# Altium PCB balenaFin_v1_x_x.PcbDoc (part 4 of 7) (continued)
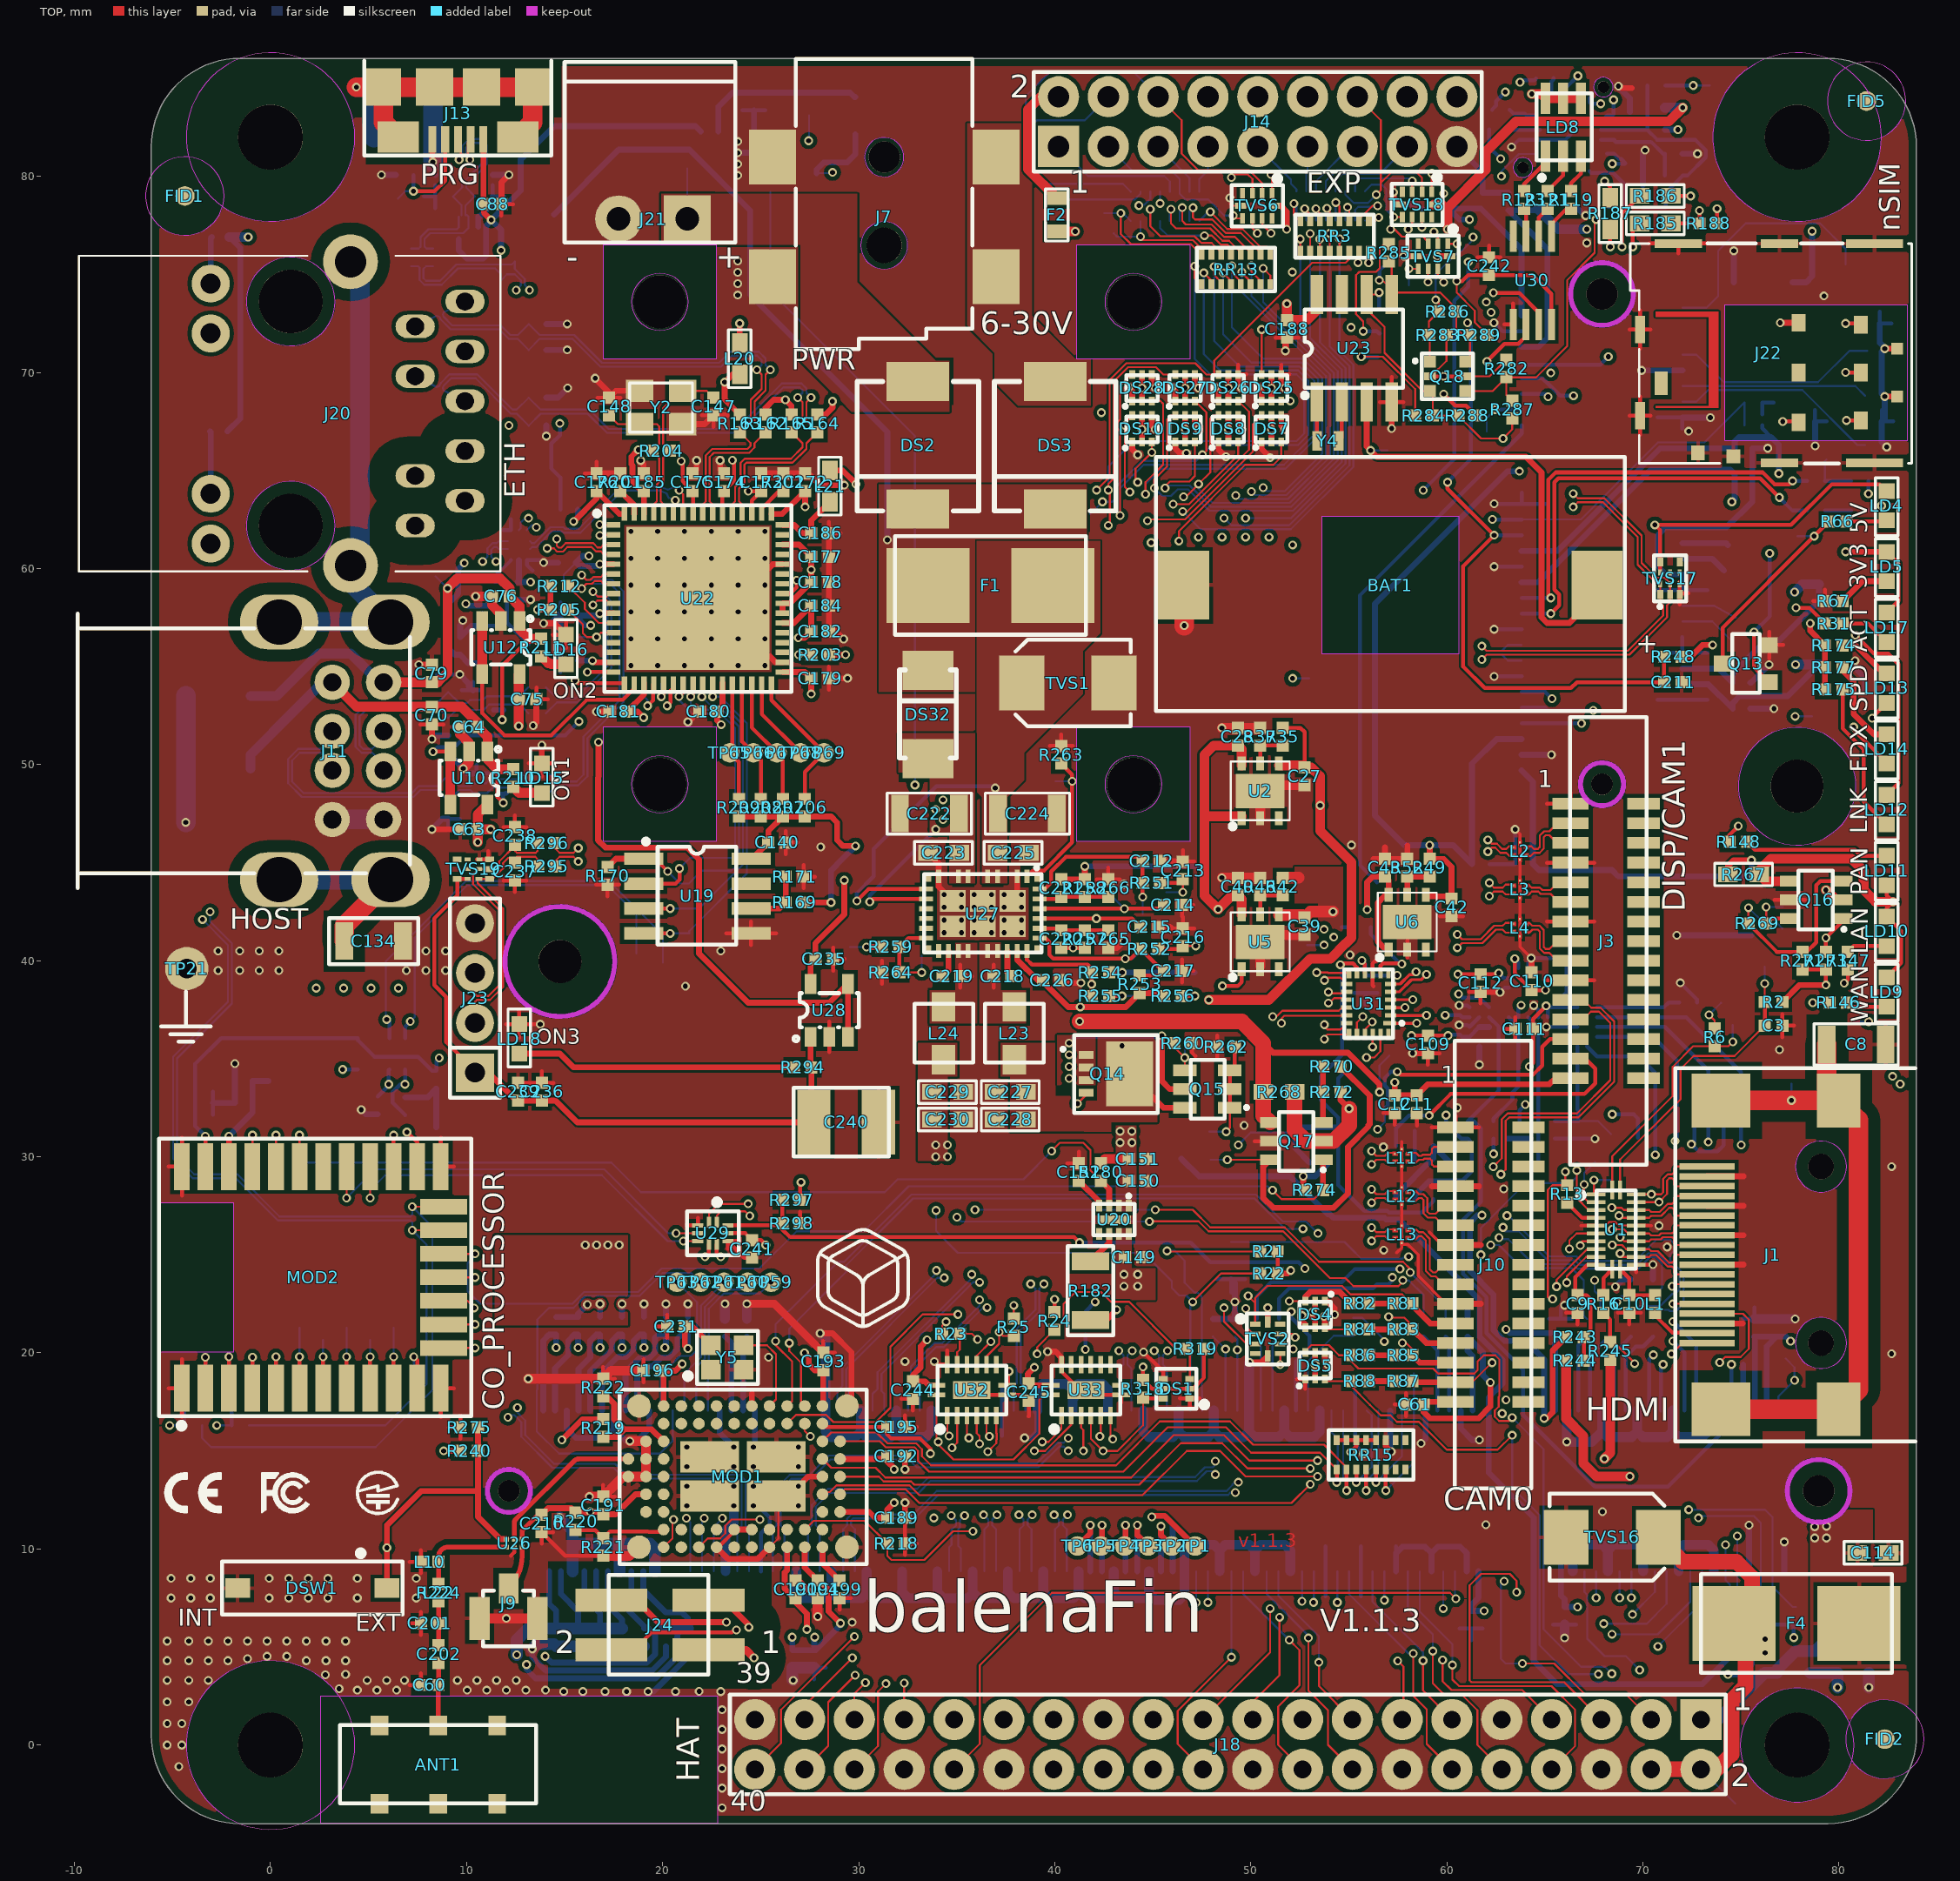
[diagram p0: TOP view]
## Nets (pads, with @x,y where several pads share a name; then routed paths per layer and width w, separated by ;. In a path a pad name is that pad's centre, name@x,y a point inside that pad or via, vN(x,y) a via of type N, cw(c..) or ccw(c..) an arc to the next point about the centre after c; other vN are vias at no path point) (continued)
  TOP w0.4: v1(24.3,22.5) 25.7,22.5 C193.1@28.19,20.01
  TOP w0.5: C64.2@9.67,51.92 9.67,51.56 10.12,51.11 U10.2@10.12,50.66 10.12,50.09 v1(9.83,49.8) ; v1(10.46,58.58) C76.2@11.3,58.58 11.3,58.13 11.75,57.68 U12.2@11.75,57.32 ; J9.3@10.665,6.46 v1(12.03,6.46) J9.2@13.615,6.46 ; v1(13.15,18.68) R222.1@16.97,18.68 17.38,19.09 C196.1@19.02,19.09 ; v1(16.26,12.67) C191.1@16.97,12.67 17.99,13.69 MOD1.N5@18.25,13.69 MOD1.M5@19.15,13.69 MOD1.M4@19.15,14.59 MOD1.M3@19.15,15.49 19.14,15.5 v1(18.33,15.5) ; R221.1@16.97,9.65 18.31,9.65 MOD1.M9@18.8,10.14 ; v1(27.91,6.557) 27.895,6.572 27.895,7.048 27.91,7.063 C194.1@27.91,7.49 ; v1(48.52,44.23) C40.2@49.34,44.23 R46.1@50.48,44.23 ; v1(48.52,51.87) C28.2@49.34,51.87 R37.1@50.48,51.87 ; U5.2@50.48,39.72 50.48,41.02 50.77,41.31 C39.2@52.74,41.31 ; U2.2@50.48,47.36 U2.7@50.48,48.66 50.77,48.95 C27.2@52.74,48.95
  TOP w1: v1(46.6,57.088) BAT1.2@46.6,59.19
  GND w0.1: v1@32.25,12.3 32.31,12.36 v1(32.36,12.36)
  INT1 w0.1: 65.937,28.19 67.73,28.19
  INT2 w0.1: 61.63,72.88 61.825,72.685
  BOTTOM w0.1: pad.1@-4.27,37.38 TP21.1@-4.27,39.6
  BOTTOM w0.2: -2.94,32.152 C91.2@-2.94,32.74 -2.94,33.328 ; 7.822,78.97 C86.2@8.41,78.97 ; 8.41,78.382 C86.2@8.41,78.97 ; 8.41,79.558 C86.2@8.41,78.97 ; 8.482,54.6 C78.2@9.07,54.6 ; 9.07,46.652 C68.2@9.07,47.24 9.658,47.24 ; 9.07,55.188 C78.2@9.07,54.6 ; v1(9.65,54.6) C78.2@9.07,54.6 ; 9.747,53.79 TVS4.3@10.325,53.79 ; 10.325,54.218 TVS4.3@10.325,53.79 ; 10.5,49.978 10.5,49.55 TVS3.3@11.078,49.55 ; TVS4.3@10.775,53.79 TVS4.3@10.325,53.79 ; 10.81,56.392 Q6.2@10.81,57.07 ; 10.81,57.748 Q6.2@10.81,57.07 ; 11.33,79.558 C87.2@11.33,78.97 11.918,78.97 ; 11.538,57.07 Q6.2@10.81,57.07 ; 11.879,61.958 U13.3@12.27,61.958 12.27,62.518 ; 13.36,59.9 13.07,60.19 U13.8@13.07,60.421 13.809,60.421 v1(13.93,60.3) ; 14.192,55.3 C183.1@14.78,55.3 14.78,54.712 ; 14.192,57.7 C171.1@14.78,57.7 14.78,58.288 ; 24.072,83.37 R32.1@24.66,83.37 25.248,83.37 ; v1(24.63,12.2) 24.861,12.2 25.46,11.601 25.46,11.26 25.01,10.81 J2.163@25.01,8.86 ; 24.762,81.11 Q3.2@25.49,81.11 ; 25.49,80.432 Q3.2@25.49,81.11 ; 25.49,81.788 Q3.2@25.49,81.11 ; 26.218,81.11 Q3.2@25.49,81.11 ; 27.73,3.352 C198.1@27.73,3.94 28.318,3.94 ; 37.31,15.782 J2.122@37.31,17.06 37.31,18.338 ; 48.262,23.75 Q1.2@48.99,23.75 ; 48.99,23.072 Q1.2@48.99,23.75 ; 49.718,23.75 Q1.2@48.99,23.75 ; 53.81,7.582 J2.67@53.81,8.86 53.81,10.138 ; Q21.2@54.46,33.4 54.46,34 54.66,34.2 ; 54.622,41.7 R309.1@55.21,41.7 ; 55.21,41.112 R309.1@55.21,41.7 ; 55.21,42.288 R309.1@55.21,41.7 ; 55.272,38.35 C243.2@55.86,38.35 ; 55.31,18.06 J2.62@55.31,17.06 55.31,15.324 55.745,14.889 v1(55.745,14.845) ; 55.61,7.582 J2.61@55.61,8.86 55.61,10.138 ; 55.86,37.762 C243.2@55.86,38.35 ; 56.448,38.35 C243.2@55.86,38.35 ; J2.55@57.41,9.789 57.41,10.138 ; 58.36,29.772 Q20.5@58.36,30.55 58.36,31.328 ; v1(60.623,36.72) 61.05,36.72 U17.P4@61.15,36.62 U17.N5@61.65,37.12 ; v1(60.623,37.72) 61.05,37.72 U17.P6@61.15,37.62 ; 60.652,5.94 C6.1@61.24,5.94 ; 61.24,5.352 C6.1@61.24,5.94 ; 61.828,5.94 C6.1@61.24,5.94 ; C123.2@62.18,44.93 C124.2@63.48,44.93 v1(63.48,46.7) ; v1(62.4,72.535) 62.835,72.1 J19.4@63.81,72.1 ; v1(62.405,54.5) J19.40@63.81,54.5 ; v1(62.405,56.9) J19.34@63.81,56.9 ; v1(62.405,60.1) J19.26@63.81,60.1 ; v1(62.41,63.3) J19.18@63.81,63.3 ; v1(62.705,38.387) 62.73,38.387 62.963,38.62 U17.K8@63.15,38.62 ; v1(63.3,81.5) 63.304,81.5 63.673,81.869 U25.6@64.75,81.869 66.05,81.869 U25.17@66.3,82.119 ; 63.81,63.878 J19.18@63.81,63.3 ; U17.H10@64.15,39.62 64.15,39.983 v1(64.299,40.131) 65.839,40.131 66.11,39.86 66.11,38.41 65.82,38.12 U17.E7@65.65,38.12 ; v1(64.43,37.71) 64.65,37.49 U17.G5@64.65,37.12 ; v1(65.068,36.62) U17.D4@66.15,36.62 U17.C4@66.65,36.62 ; 65.088,63.3 J19.18@63.81,63.3 ; 65.222,21.73 C5.2@65.81,21.73 ; 65.412,6.14 C4.1@66,6.14 66.588,6.14 ; C108.1@65.5,30.92 C107.1@66.7,30.92 v1(67.55,30.92) ; 65.81,22.318 C5.2@65.81,21.73 ; 66.398,21.73 C5.2@65.81,21.73 ; 70.732,53.3 J19.43@72.01,53.3 73.288,53.3 ; 70.732,55.7 J19.37@72.01,55.7 ; 70.732,58.9 J19.29@72.01,58.9 73.288,58.9 ; 70.732,67.7 J19.15@72.01,67.7 72.01,67.122 ; v1(71.9,38.87) 72.75,38.02 R139.1@72.75,37.87 ; J19.35@72.01,56.5 J19.37@72.01,55.7 ; 73.288,55.7 J19.37@72.01,55.7 ; 75.092,21.73 C2.2@75.68,21.73 75.68,22.318 ; 76.08,67.872 R247.1@76.08,68.46 76.668,68.46 ; 78.78,68.088 C156.2@78.78,67.5 79.368,67.5 ; 82.08,73.088 C153.2@82.08,72.5 82.668,72.5 ; 82.18,68.088 C155.2@82.18,67.5 82.768,67.5
  BOTTOM w0.3: C91.2@-2.94,32.74 C92.2@-1.82,32.74 C93.2@-1.82,33.86 v1(-1.82,34.75) ; v1(4.63,32.4) 4.86,32.17 R132.2@5.47,32.17 ; v1(5.66,80.07) R153.1@6.39,80.07 ; v1(8.23,46.7) 8.77,47.24 C68.2@9.07,47.24 ; v1(8.233,51.303) 8.41,51.48 C77.2@9.07,51.48 ; v1(8.28,80.732) 8.28,80.2 8.41,80.07 ; C69.2@9.07,50.36 9.27,50.36 v1(9.83,49.8) 10.08,49.55 TVS3.3@10.5,49.55 ; v1(9.65,54.6) 10.125,54.125 10.125,53.99 TVS4.3@10.325,53.79 ; v1(9.81,57.35) 9.81,57.25 9.67,57.11 R116.1@9.67,56.5 10.24,57.07 Q6.2@10.81,57.07 ; TVS5.3@10.6,77.42 TVS5.3@10.6,77.945 ; TVS5.3@10.6,77.87 10.638,77.907 11.33,78.6 C87.2@11.33,78.97 ; 11.33,80.07 v1(12.16,80.07) ; C85.2@12.6,58.41 v1(13.262,58.41) ; v1(13.352,4.9) 13.352,4.48 14.032,3.8 19.469,3.8 20.17,4.501 C15.1@20.17,5.04 ; v1(13.93,57.2) 14.28,57.2 C171.1@14.78,57.7 C187.1@14.78,56.5 C183.1@14.78,55.3 ; v1(13.93,60.3) C170.1@14.68,60.3 ; v1(14.07,66.75) C139.2@14.07,67.29 ; C138.2@14.07,68.71 14.67,68.71 v1(15.16,69.2) ; C137.2@14.07,71.15 v1(15.13,71.15) ; C136.2@14.07,72.47 v1(15.13,72.47) ; C26.2@14.57,21.83 C24.2@15.69,21.83 15.69,21.99 v1(16.16,22.46) ; J2.196@15.11,17.06 15.11,16.131 15.581,15.66 17.039,15.66 J2.188@17.51,16.131 ; C22.2@16.81,21.83 v1(16.81,22.492) ; J2.188@17.51,17.06 J2.188@17.51,16.131 ; C20.2@17.93,21.83 v1(17.93,22.492) ; C18.2@19.05,21.83 v1(19.05,22.492) ; v1(19.26,2.725) 19.525,2.725 21.29,4.49 C13.1@21.29,5.04 ; J2.182@19.31,17.06 19.31,16.131 18.679,15.5 v1(18.33,15.5) 18.141,15.5 J2.188@17.51,16.131 ; C16.2@20.17,21.83 v1(20.17,22.492) ; C14.2@21.29,21.83 v1(21.29,22.492) ; J2.170@22.91,17.06 22.91,15.92 v1(23.63,15.2) ; v1(23.83,81.2) Q3.2@25.4,81.2 ; v1(24.63,15.2) 24.71,15.28 J2.164@24.71,17.06 ; R32.1@24.66,83.37 24.66,81.94 Q3.2@25.4,81.2 ; Q3.2@25.49,81.11 Q3.2@25.4,81.2 ; v1(38.46,15.66) 38.81,15.66 39.11,15.96 J2.116@39.11,17.06 ; R20.1@48.07,21.73 48.428,21.73 48.433,21.725 48.827,21.725 48.832,21.73 R18.1@49.19,21.73 v1(49.19,22.6) 49.19,23.55 Q1.2@48.99,23.75 ; J2.56@57.11,17.06 57.11,15.01 v1(57.16,14.96) ; v1(57.279,79.193) 57.26,79.174 57.26,78.87 57.57,78.56 58.53,78.56 C116.1@58.735,78.355 ; J2.55@57.41,8.86 57.41,9.789 57.731,10.11 58.889,10.11 J2.49@59.21,9.789 ; v1(58.685,15.38) 58.91,15.605 J2.50@58.91,17.06 ; J2.49@59.21,8.86 J2.49@59.21,9.789 ; J14.17@60.51,81.52 61.82,80.21 C118.2@61.82,79.165 C117.2@63.14,79.165 ; J2.44@60.71,17.06 60.71,16.131 61.281,15.56 v1(61.655,15.56) ; J2.43@61.01,8.86 61.01,9.789 60.689,10.11 59.531,10.11 J2.49@59.21,9.789 ; C7.2@61.05,21.73 61.05,22.46 ; v1(61.65,34.693) U17.N1@61.65,35.12 U17.N2@61.65,35.62 ; 63.112,30.92 R140.1@63.7,30.92 ; 63.7,30.332 R140.1@63.7,30.92 ; J19.50@63.81,50.5 v1(65.33,50.5) ; 64.288,30.92 R140.1@63.7,30.92 ; C115.1@66.225,78.355 66.675,78.355 67.03,78 v1(67.077,78) ; v1(68.592,23.37) 68.972,23.75 R10.1@69.39,23.75 ; v1(68.748,84.6) 68.748,84.559 69.33,83.977 C204.2@69.33,83.28 ; v1(69.93,70.1) J19.9@72.01,70.1 ; R232.1@70,79.55 R231.1@70,80.67 70,81.23 v1(70.102,81.332) ; R7.1@70.51,23.75 v1(70.51,24.5) ; v1(71.73,41.3) C208.2@73.03,41.3 C209.2@75.53,41.3 ; J19.29@72.01,58.9 J19.27@72.01,59.7 71.156,59.7 70.76,60.096 70.76,61.704 71.156,62.1 J19.21@72.01,62.1 74.264,62.1 75.58,63.416 C120.2@75.58,64.81 C119.2@75.58,66.13 v1(76.36,66.13) ; J19.15@72.01,67.7 v1(73.43,67.7) ; R229.1@72.02,81.15 v1(72.78,81.15) ; C207.2@74.63,74.6 v1(74.63,76.2) ; J2.8@75.11,17.06 75.11,19.41 ; J2.7@75.41,8.86 v1(75.41,11.212) ; C122.1@75.48,52.85 v1(76.68,52.85) ; C121.1@75.48,54.17 75.5,54.17 v1(76.43,55.1) ; J2.1@77.21,8.86 v1(77.21,10.36) ; v1(78.78,66.25) C156.2@78.78,67.5 ; v1(80.814,55.3) 80.814,54.916 81.33,54.4 81.33,53.7 ; C153.2@82.08,72.5 82.08,71.511 82.33,71.261 v1(82.33,71.21) 82.18,71.06 C154.2@82.18,70 82.18,68.92 v1(82.33,68.77) 82.33,67.65 C155.2@82.18,67.5 82.18,66.45 v1(82.43,66.2)
  BOTTOM w0.5: R29.2@23.18,21.73 v1(23.18,22.5) ; J2.169@23.21,8.86 23.21,10.915 23.63,11.335 v1(23.63,12.2) ; R28.2@24.3,21.73 v1(24.3,22.5) ; J2.157@26.81,8.86 26.81,7.79 27.117,7.483 28.36,7.483 28.61,7.733 28.61,7.79 ; v1(28.035,21) 28.31,20.725 J2.152@28.31,17.06 28.31,15.99 28.59,15.71 29.83,15.71 30.11,15.99 ; J2.151@28.61,8.86 28.61,7.79 ; J2.146@30.11,17.06 30.11,15.99 ; J2.145@30.41,8.86 30.41,7.79 ; J2.140@31.91,17.06 31.91,15.99 ; J2.139@32.21,8.86 32.21,7.79 ; J2.134@33.71,17.06 33.71,15.99 33.43,15.71 32.19,15.71 31.91,15.99 ; J2.133@34.01,8.86 34.01,7.79 ; J2.127@35.81,8.86 35.81,7.79 ; J2.121@37.61,8.86 37.61,7.79 ; J2.116@39.11,17.06 39.11,18.13 39.39,18.41 40.63,18.41 40.91,18.13 J2.110@40.91,17.66 ; J2.115@39.41,8.86 39.41,7.79 ; J2.110@40.91,17.06 J2.110@40.91,17.66 ; J2.109@41.21,8.86 41.21,7.79 ; J2.104@42.71,17.06 42.71,18.13 42.43,18.41 41.19,18.41 40.985,18.205 40.985,17.735 J2.110@40.91,17.66 ; J2.103@43.01,8.86 43.01,7.79 ; J2.98@44.51,17.06 44.51,15.99 44.79,15.71 46.03,15.71 46.31,15.99 ; 44.81,7.72 45.117,7.413 46.36,7.413 46.61,7.663 J2.91@46.61,8.79 ; J2.97@44.81,8.86 44.81,7.733 44.56,7.483 43.317,7.483 43.01,7.79 ; J2.92@46.31,17.06 46.31,15.99 ; J2.91@46.61,8.86 46.61,9.93 46.89,10.21 48.13,10.21 48.41,9.93 ; J2.86@48.11,17.06 48.11,15.99 ; J2.85@48.41,8.86 48.41,9.93 ; v1(49.93,19.51) 49.91,19.49 J2.80@49.91,17.06 49.91,15.99 ; J2.79@50.21,8.86 50.21,9.93 ; J2.74@51.71,17.06 51.71,15.99 ; J2.73@52.01,8.86 52.01,9.93 51.73,10.21 50.49,10.21 50.21,9.93 ; J2.68@53.51,17.06 53.51,15.99 53.23,15.71 51.99,15.71 51.71,15.99 ; v1(66,5.46) C4.1@66,6.14 ; J2.38@66.11,17.06 v1(66.11,15.46) 67.38,15.46 67.91,15.99 ; J2.37@66.41,8.86 66.41,9.93 66.69,10.21 67.93,10.21 68.21,9.93 ; J2.32@67.91,17.06 67.91,15.99 ; J2.31@68.21,8.86 68.21,9.93 ; J2.26@69.71,17.06 69.71,15.99 ; J2.25@70.01,8.86 70.01,9.93 ; J2.20@71.51,17.06 71.51,15.99 ; J2.19@71.81,8.86 71.81,9.93 ; J2.14@73.31,17.06 73.31,15.99 73.03,15.71 71.79,15.71 71.51,15.99 ; J2.13@73.61,8.86 73.61,9.93 73.33,10.21 72.09,10.21 71.81,9.93 ; C2.2@75.68,21.73 C1.2@76.8,21.73 v1(77.76,21.73) ; 28.61,7.79 28.917,7.483 30.16,7.483 30.41,7.733 30.41,7.79 ; 30.11,15.99 30.39,15.71 31.63,15.71 31.91,15.99 ; 30.41,7.79 30.717,7.483 31.96,7.483 32.21,7.733 32.21,7.79 ; 32.21,7.79 32.517,7.483 33.76,7.483 34.01,7.733 34.01,7.79 ; 34.01,7.79 34.317,7.483 35.56,7.483 35.81,7.733 35.81,7.79 ; 35.81,7.79 36.117,7.483 37.36,7.483 37.61,7.733 37.61,7.79 ; 37.61,7.79 37.917,7.483 39.16,7.483 39.41,7.733 39.41,7.79 ; 39.41,7.79 39.717,7.483 40.96,7.483 41.21,7.733 41.21,7.79 ; 41.21,7.79 41.517,7.483 42.76,7.483 43.01,7.733 43.01,7.79 ; 46.31,15.99 46.59,15.71 47.83,15.71 48.11,15.99 ; 48.11,15.99 48.39,15.71 49.63,15.71 49.91,15.99 ; 48.41,9.93 48.69,10.21 49.93,10.21 50.21,9.93 ; 49.91,15.99 50.19,15.71 51.43,15.71 51.71,15.99 ; 67.91,15.99 68.19,15.71 69.43,15.71 69.71,15.99 ; 68.21,9.93 68.49,10.21 69.73,10.21 70.01,9.93 ; 69.71,15.99 69.99,15.71 71.23,15.71 71.51,15.99 ; 70.01,9.93 70.29,10.21 71.53,10.21 71.81,9.93
  BOTTOM w0.6: v1(13.352,4.9) 13.602,5.15 14.46,5.15 C25.1@14.57,5.04 C23.1@15.69,5.04 C21.1@16.81,5.04 C19.1@17.93,5.04 C17.1@19.05,5.04 ; v1(14.735,11.605) 15.41,10.93 15.41,10.001 ; J2.195@15.41,8.86 15.41,10.001 ; J2.187@17.81,8.86 17.81,10.001 ; J2.181@19.61,8.86 19.61,10.001 19.351,10.26 18.069,10.26 17.81,10.001 ; v1(26.66,3.3) 26.61,3.35 C197.1@26.61,3.94 C198.1@27.73,3.94 ; v1(81.52,2.938) C113.2@81.52,3.69 ; 15.41,10.001 15.669,10.26 17.551,10.26 17.81,10.001
  BOTTOM w1: v1(-4.32,47.05) C234.2@-4.32,49.8 C232.2@-4.32,53.5 ; J11.4@3.15,47.2 J11.8@5.77,47.2 ; v1(8.28,80.732) R117.1@8.28,81.97 C89.1@8.28,84.26
  other v1: 23.03,-3.2 23.03,-2.2 23.03,-1.2 -4.67,-1.1 23.03,-0.2 -5.27,0 -4.525,0 23.03,0.8 -5.27,1.1 -4.525,1.1 23.03,1.8 -5.27,2.2 -4.17,2.2 14.96,2.725 15.93,2.725 17.06,2.725 18.16,2.725 20.66,2.725 22.96,2.725 21.86,2.743 4.43,2.8 5.43,2.8 6.43,2.8 10.03,2.8 11.03,2.8 12.03,2.8 13.03,2.8 14.03,2.8 3.501,2.871 -5.27,3.3 -4.17,3.3 -3.17,3.3 4.93,3.3 5.93,3.3 6.83,3.3 9.53,3.3 10.53,3.3 11.53,3.3 12.53,3.3 2.794,3.578 3.83,3.6 -5.27,4.3 -4.17,4.3 -3.17,4.3 -2.17,4.3 1.83,4.3 2.83,4.3 3.83,4.3 -1.17,4.4 -0.17,4.525 0.83,4.525 -5.27,5.3 -4.17,5.3 -3.17,5.3 -2.17,5.3 -1.17,5.3 -0.17,5.3 0.83,5.3 1.83,5.3 2.83,5.3 3.83,5.3 29.66,6.26 -5.07,7.5 -4.07,7.5 -3.07,7.5 -0.07,7.5 0.93,7.5 1.93,7.5 2.93,7.5 4.43,7.5 7.43,7.5 -5.07,8.5 -4.07,8.5 -3.07,8.5 -0.07,8.5 0.93,8.5 1.93,8.5 2.93,8.5 4.43,8.5 7.43,8.5 61.99,11.24 67.93,11.9 21.23,12.2 26.93,12.2 21.23,13.2 23.63,13.2 24.63,13.2 21.23,14.2 23.63,14.2 24.63,14.2 26.93,14.2 21.23,15.2 26.93,15.2 32.36,19.56 33.86,19.56 25.409,19.775 82.68,19.95 66.007,22.43 56.78,25.24 71.23,25.4 70.82,26.49 62.9,28.36 82.68,29.5 56.76,30.5 49.66,31.6 60.53,32.5 76.96,35.46 21.16,38.7 -2.67,39.5 -1.57,39.5 -0.57,39.5 0.43,39.5 6.93,39.5 7.93,39.5 8.93,39.5 55.06,40.3 -2.67,40.5 -1.57,40.5 -0.57,40.5 0.43,40.5 7.93,40.5 8.93,40.5 22.96,40.5 34.36,41.425 35.24,41.425 35.89,41.425 36.77,41.425 37.42,41.425 38.3,41.425 34.36,42.075 35.24,42.075 35.89,42.075 36.77,42.075 37.42,42.075 38.3,42.075 34.36,42.725 35.24,42.725 35.89,42.725 36.77,42.725 37.42,42.725 38.3,42.725 34.36,43.375 35.24,43.375 35.89,43.375 36.77,43.375 37.42,43.375 38.3,43.375 43.53,43.9 28.06,45.8 55.13,45.9 18.38,55.05 19.748,55.05 21.116,55.05 22.484,55.05 23.852,55.05 25.22,55.05 18.38,56.418 19.748,56.418 21.116,56.418 22.484,56.418 25.22,56.418 18.38,57.786 19.748,57.786 21.116,57.786 23.852,57.786 25.22,57.786 18.38,59.154 19.748,59.154 21.116,59.154 23.852,59.154 25.22,59.154 18.38,60.522 19.748,60.522 21.116,60.522 22.484,60.522 23.852,60.522 25.22,60.522 18.38,61.89 19.748,61.89 21.116,61.89 22.484,61.89 23.852,61.89 25.22,61.89 72.33,67 79.23,73.9 23.83,73.946 23.83,74.523 23.83,75.1 23.83,75.677 67.13,76.6 23.83,80.046 23.83,80.623 23.83,81.777
GND_EARTH: C71.2 C134.2 J11.9 J11.10 J11.11 J11.12 J20.15 J20.16 pad.1@4.57,72.1 R96.2 | length 48.2
  TOP w1: C134.2@3.76,41 3.76,41.77 J11.11@6.12,44.13
  GND w1: J11.12@0.44,44.13 J11.9@0.44,57.27
  BOTTOM w1: J11.12@0.44,44.13 J11.11@6.12,44.13 ; J11.9@0.44,57.27 J11.10@6.12,57.27 4.08,59.31 J20.15@4.08,60.155 4.57,60.645 C71.2@4.57,65.95 R96.2@4.57,68.35 pad.1@4.57,72.1 4.57,75.155 J20.16@4.08,75.645
GPIO4: J2.15 J18.7 | length 23.7
  TOP w0.1: v1(59.78,4.34) 59.78,3.25 60.23,2.8 63.84,2.8 J18.7@65.34,1.3
  INT1 w0.1: v1(59.78,4.34) 59.78,4.68 60.13,5.03 v1(70.76,5.03)
  BOTTOM w0.1: v1(70.76,5.03) 73.01,7.28 J2.15@73.01,8.86
GPIO5: J2.17 J18.29 | length 39.5
  INT2 w0.1: J18.29@37.4,1.3 39.6,3.5 67.08,3.5 68.42,4.84 v1(68.42,5.65)
  BOTTOM w0.1: v1(68.42,5.65) 70.75,5.65 72.41,7.31 J2.17@72.41,8.86
GPIO6: J2.21 J18.31 | length 41.3
  INT2 w0.1: J18.31@34.86,1.3 37.26,3.7 66.89,3.7 67.94,4.75 67.94,6.13 v1(68,6.19)
  BOTTOM w0.1: v1(68,6.19) 70.19,6.19 71.21,7.21 J2.21@71.21,8.86
GPIO7: J2.23 J18.26 | length 35.7
  INT2 w0.1: J18.26@42.48,-1.24 43.82,0.1 43.82,1.797 44.923,2.9 68.65,2.9 69.26,3.51 69.26,6.46 v1(69.46,6.66)
  BOTTOM w0.1: v1(69.46,6.66) 70.61,7.81 J2.23@70.61,8.86
GPIO8: J2.27 J18.24 | length 34.1
  INT2 w0.1: J18.24@45.02,-1.24 46.22,-0.04 46.22,1.79 46.93,2.5 69.393,2.5 70.26,3.367 70.26,6.658 v1(69.41,7.508)
  BOTTOM w0.1: v1(69.41,7.508) J2.27@69.41,8.86
GPIO9: J2.29 J18.21 | length 29.3
  TOP w0.1: J18.21@47.56,1.3 50.98,4.72 v1(50.98,6.96)
  INT1 w0.1: v1(50.98,6.96) 50.98,8.133 52.147,9.3 68.06,9.3 68.81,8.55 v1(68.81,7.508)
  BOTTOM w0.1: v1(68.81,7.508) J2.29@68.81,8.86
GPIO10: J2.33 J18.19 | length 26.6
  TOP w0.1: J18.19@50.1,1.3 50.1,2.2 51.464,3.564 v1(51.464,6.515)
  INT1 w0.1: v1(51.464,6.515) 51.464,8.334 52.23,9.1 66.92,9.1 67.61,8.41 v1(67.61,7.508)
  BOTTOM w0.1: v1(67.61,7.508) J2.33@67.61,8.86
GPIO11: J2.35 J18.23 | length 33
  INT2 w0.1: J18.23@45.02,1.3 46.42,2.7 69.31,2.7 69.83,3.22 v1(69.83,3.83)
  BOTTOM w0.1: J2.35@67.01,8.86 67.01,7.81 67.16,7.66 67.16,5.42 68.04,4.54 69.12,4.54 v1(69.83,3.83)
GPIO12: J2.45 J18.32 | length 33.2
  TOP w0.1: J18.32@34.86,-1.24 36.17,0.07 36.17,4.07 39.86,7.76 60.16,7.76 v1(60.46,7.46)
  BOTTOM w0.1: J2.45@60.41,8.86 60.41,7.51 v1(60.46,7.46)
GPIO13: J2.47 J18.33 | length 32.8
  TOP w0.1: J18.33@32.32,1.3 v1(32.32,3.16)
  INT2 w0.1: v1(32.32,3.16) 35.1,5.94 58.365,5.94 59.385,6.96 v1(59.81,6.96)
  BOTTOM w0.1: v1(59.81,6.96) J2.47@59.81,8.86
GPIO14: J2.51 J18.8 | length 16.6
  TOP w0.1: v1(60.28,4.08) 60.28,3.338 60.618,3 65.337,3 66.54,1.797 66.54,-0.04 J18.8@65.34,-1.24
  BOTTOM w0.1: J2.51@58.61,8.86 58.61,6.81 60.28,5.14 v1(60.28,4.08)
GPIO15: J2.53 J18.10 | length 12.6
  TOP w0.1: v1(59.28,4.79) 59.28,3.15 59.88,2.55 60.778,2.55 61.55,1.778 61.55,0.01 J18.10@62.8,-1.24
  BOTTOM w0.1: J2.53@58.01,8.86 58.01,6.91 59.28,5.64 v1(59.28,4.79)
GPIO16: J2.57 J18.36 | length 33.7
  TOP w0.1: J18.36@29.78,-1.24 30.98,-0.04 30.98,2.725 v1(31.388,3.133)
  INT2 w0.1: v1(31.388,3.133) 34.395,6.14 54.442,6.14 55.687,7.385 v1(56.81,7.385)
  BOTTOM w0.1: v1(56.81,7.385) J2.57@56.81,8.86
GPIO17: J2.59 J18.11 | length 9.2
  TOP w0.1: v1(58.78,4.3) 58.78,2.78 J18.11@60.26,1.3
  BOTTOM w0.1: J2.59@56.21,8.86 56.21,7.31 58.78,4.74 v1(58.78,4.3)
GPIO18: J2.63 J18.12 | length 12.4
  TOP w0.1: v1(58.28,4.67) 58.28,2.508 58.97,1.818 58.97,0.05 J18.12@60.26,-1.24
  BOTTOM w0.1: J2.63@55.01,8.86 55.01,7.7 58.04,4.67 v1(58.28,4.67)
GPIO19: J2.65 J18.35 | length 29.9
  TOP w0.1: J18.35@29.78,1.3 29.78,2.62 v1(30.34,3.18)
  INT2 w0.1: v1(30.34,3.18) 33.72,6.56 48.344,6.56 49.119,7.335 51.174,7.335 51.749,6.76 53.895,6.76 v1(54.41,7.275)
  BOTTOM w0.1: v1(54.41,7.275) J2.65@54.41,8.86
GPIO20: J2.69 J18.38 | length 32.9
  TOP w0.1: J18.38@27.24,-1.24 28.44,-0.04 28.44,2.18 v1(29.82,3.56)
  INT2 w0.1: v1(29.82,3.56) 33.02,6.76 48.261,6.76 49.036,7.535 51.257,7.535 51.832,6.96 52.88,6.96 v1(53.195,7.275)
  BOTTOM w0.1: v1(53.195,7.275) 53.21,7.29 J2.69@53.21,8.86
GPIO21: J2.71 J18.40 | length 35.1
  TOP w0.1: J18.40@24.7,-1.24 26.04,0.1 26.04,1.797 v1(29.781,5.539)
  INT2 w0.1: v1(29.781,5.539) 32.466,8.223 46.395,8.223 46.872,8.7 50.52,8.7 51.885,7.335 v1(52.61,7.335)
  BOTTOM w0.1: v1(52.61,7.335) J2.71@52.61,8.86
GPIO22: J2.75 J18.15 | length 9.1
  TOP w0.1: v1(53.47,4.22) 53.48,4.21 53.48,3 J18.15@55.18,1.3
  BOTTOM w0.1: J2.75@51.41,8.86 51.41,7.61 53.47,5.55 v1(53.47,4.22)
GPIO23: J2.77 J18.16 | length 11.9
  TOP w0.1: v1(52.94,5.46) 52.94,2.768 53.93,1.778 53.93,0.01 J18.16@55.18,-1.24
  BOTTOM w0.1: J2.77@50.81,8.86 50.81,7.71 52.94,5.58 v1(52.94,5.46)
GPIO24: J2.81 J18.18 | length 12.3
  TOP w0.1: v1(51.96,5.36) 52.48,4.84 52.48,3.05 51.39,1.96 51.39,0.01 J18.18@52.64,-1.24
  BOTTOM w0.1: J2.81@49.61,8.86 49.61,7.71 v1(51.96,5.36)
GPIO25: J2.83 J18.22 | length 11.8
  TOP w0.1: J18.22@47.56,-1.24 46.27,0.05 46.27,1.74 v1(49.01,4.48)
  BOTTOM w0.1: v1(49.01,4.48) J2.83@49.01,8.86
GPIO26: J2.87 J18.37 | length 25.6
  TOP w0.1: J18.37@27.24,1.3 27.24,2.01 v1(29.675,4.445)
  INT2 w0.1: v1(29.675,4.445) 33.13,7.9 47.22,7.9 47.81,7.31 v1(47.81,7.275)
  BOTTOM w0.1: v1(47.81,7.275) J2.87@47.81,8.86
GPIO27: J2.89 J18.13 | length 16.3
  TOP w0.1: v1(57.49,4.29) 57.78,4 57.78,1.36 J18.13@57.72,1.3
  INT1 w0.1: v1(47.21,7.26) 47.21,7.16 48.23,6.14 55.64,6.14 v1(57.49,4.29)
  BOTTOM w0.1: v1(47.21,7.26) J2.89@47.21,8.86
HDMI_CEC: J2.171 pad.1@73.973,37.842 R6.1 | length 76.2
  TOP w0.1: v1(73.37,37.24) 73.66,36.95 R6.1@73.66,36.54
  INT2 w0.1: v1(23.047,11.565) 23.069,11.565 26.011,8.623 46.229,8.623 46.706,9.1 59.03,9.1 64.13,14.2 64.13,22.5 65.721,24.091 65.721,25.491 70.255,30.025 70.255,30.255 70.475,30.475 70.705,30.475 73.37,33.14 v1(73.37,37.24)
  BOTTOM w0.1: J2.171@22.61,8.86 22.61,11.117 23.047,11.554 v1(23.047,11.565) ; v1(73.37,37.24) pad.1@73.973,37.842
HDMI_CEC_CON: J1.13 U1.6 | length 10.4
  TOP w0.1: v1(66.25,25.3) 66.25,25.73 66.61,26.09 U1.6@67.61,26.09 ; v1(71.49,23.39) 71.6,23.5 J1.13@73.27,23.5
  INT2 w0.1: v1(66.25,25.3) 66.25,25.55 66.545,25.845 67.085,25.845 69.54,23.39 v1(71.49,23.39)
HDMI_CK+: J1.10 J2.113 U1.15 | length 49.4
  TOP w0.1: v1(68.43,25.5) 68.93,25.5 69.14,25.29 U1.15@69.66,25.29 70.312,25.29 70.412,25.19 70.752,25.19 71.342,24.6 71.483,24.6 71.583,24.7 71.583,24.9 71.683,25 J1.10@73.27,25
  INT1 w0.1: v1(39.97,11.74) 40.21,11.981 40.21,12.205 40.665,12.66 45.513,12.66 47.953,10.22 58.217,10.22 61.08,13.083 61.08,20.65 65.03,24.6 67.761,24.6 68.149,24.987 68.16,25.251 v1(68.43,25.5)
  BOTTOM w0.1: v1(39.97,11.74) 40.21,11.5 40.21,11.208 40.01,11.008 J2.113@40.01,8.86
HDMI_CK-: J1.12 J2.111 U1.14 | length 48.9
  TOP w0.1: v1(68.83,25.065) 68.83,24.99 68.93,24.89 U1.14@69.66,24.89 70.312,24.89 70.412,24.99 70.669,24.99 71.259,24.4 71.483,24.4 71.583,24.3 71.583,24.1 71.683,24 J1.12@73.27,24
  INT1 w0.1: v1(40.651,11.74) 40.41,11.981 40.41,12.123 40.748,12.46 45.43,12.46 47.87,10.02 58.3,10.02 61.28,13 61.28,20.567 65.113,24.4 67.844,24.4 68.272,24.828 68.284,24.828 68.56,24.816 v1(68.83,25.065)
  BOTTOM w0.1: J2.111@40.61,8.86 40.61,11.008 40.41,11.208 40.41,11.5 v1(40.651,11.74)
HDMI_D0+: J1.7 J2.119 U1.17 | length 51.6
  TOP w0.1: v1(68.43,26.3) 69.03,26.3 69.24,26.09 U1.17@69.66,26.09 70.312,26.09 70.412,25.99 70.82,25.99 70.93,26.1 71.483,26.1 71.583,26.2 71.583,26.4 71.683,26.5 J1.7@73.27,26.5
  INT1 w0.1: v1(38.17,11.74) 38.41,11.981 38.41,12.783 38.917,13.29 45.75,13.29 48.2,10.84 57.897,10.84 60.47,13.413 60.47,20.94 65.93,26.4 68.33,26.4 v1(68.43,26.3)
  BOTTOM w0.1: v1(38.17,11.74) 38.41,11.5 38.41,11.208 38.21,11.008 J2.119@38.21,8.86
HDMI_D0-: J1.9 J2.117 U1.16 | length 51.4
  TOP w0.1: v1(68.83,25.9) 69.04,25.69 U1.16@69.66,25.69 70.312,25.69 70.412,25.79 70.903,25.79 71.013,25.9 71.483,25.9 71.583,25.8 71.583,25.6 71.683,25.5 J1.9@73.27,25.5
  INT1 w0.1: v1(38.851,11.74) 38.61,11.981 38.61,12.7 39,13.09 45.667,13.09 48.117,10.64 57.98,10.64 60.67,13.33 60.67,20.857 66.013,26.2 68,26.2 68.275,25.925 68.288,25.925 68.313,25.9 v1(68.83,25.9)
  BOTTOM w0.1: J2.117@38.81,8.86 38.81,11.008 38.61,11.208 38.61,11.5 v1(38.851,11.74)
HDMI_D1+: J1.4 J2.125 U1.20 | length 54
  TOP w0.1: v1(68.409,27.409) 68.419,27.4 68.91,27.4 69.02,27.29 U1.20@69.66,27.29 70.312,27.29 70.412,27.19 70.849,27.19 71.259,27.6 71.483,27.6 71.583,27.7 71.583,27.9 71.683,28 J1.4@73.27,28
  INT1 w0.1: v1(36.37,11.74) 36.61,11.981 36.61,12.88 37.65,13.92 45.993,13.92 48.463,11.45 57.48,11.45 59.83,13.8 59.83,21.2 65.79,27.16 68.31,27.16 68.409,27.26 v1(68.409,27.409)
  BOTTOM w0.1: v1(36.37,11.74) 36.61,11.5 36.61,11.208 36.41,11.008 J2.125@36.41,8.86
HDMI_D1-: J1.6 J2.123 U1.19 | length 53.5
  TOP w0.1: v1(68.777,27) 68.78,27 68.89,26.89 U1.19@69.66,26.89 70.312,26.89 70.412,26.99 70.932,26.99 71.342,27.4 71.483,27.4 71.583,27.3 71.583,27.1 71.683,27 J1.6@73.27,27
  INT1 w0.1: v1(37.05,11.74) 36.81,11.981 36.81,12.797 37.733,13.72 45.91,13.72 48.38,11.25 57.563,11.25 60.03,13.717 60.03,21.117 65.873,26.96 68.737,26.96 v1(68.777,27)
  BOTTOM w0.1: J2.123@37.01,8.86 37.01,11.008 36.81,11.208 36.81,11.5 v1(37.05,11.74)
HDMI_D2+: J1.1 J2.131 U1.22 | length 57
  TOP w0.1: U1.22@69.66,28.09 v1(70.43,28.09) 70.93,28.09 71.03,28.19 71.03,28.871 71.259,29.1 71.483,29.1 71.583,29.2 71.583,29.4 71.683,29.5 J1.1@73.27,29.5
  INT1 w0.1: v1(34.72,11.7) 34.93,11.911 34.93,12.483 36.997,14.55 46.243,14.55 48.733,12.06 57.09,12.06 59.151,14.121 59.151,21.421 65.72,27.99 69.963,27.99 70.063,28.09 v1(70.43,28.09)
  BOTTOM w0.1: J2.131@34.61,8.86 34.61,10.092 34.735,10.217 34.735,10.975 34.964,11.204 34.964,11.456 v1(34.72,11.7)
HDMI_D2-: J1.3 J2.129 U1.21 | length 57.1
  TOP w0.1: U1.21@69.66,27.69 v1(70.813,27.69) 71.23,28.107 71.23,28.788 71.342,28.9 71.483,28.9 71.583,28.8 71.583,28.6 71.683,28.5 J1.3@73.27,28.5
  INT1 w0.1: v1(35.401,11.7) 35.17,11.931 35.17,12.146 35.13,12.186 35.13,12.4 37.08,14.35 46.16,14.35 48.65,11.86 57.173,11.86 59.351,14.038 59.351,21.338 65.803,27.79 69.963,27.79 70.063,27.69 v1(70.813,27.69)
  BOTTOM w0.1: J2.129@35.21,8.86 35.21,10.025 35.08,10.155 35.08,11.01 35.164,11.094 35.164,11.464 v1(35.401,11.7)
HDMI_HPD: pad.1@55.084,25.346 Q1.1 U1.3 | length 23.8
  TOP w0.1: v1(66.622,29.304) 66.622,27.891 67.223,27.29 U1.3@67.61,27.29
  INT1 w0.1: v1(58.052,24.909) 58.121,24.909 58.43,24.6 61.43,24.6 61.73,24.9 v1(61.73,25)
  BOTTOM w0.1: Q1.1@48.99,25.65 54.78,25.65 pad.1@55.084,25.346 55.63,24.8 57.73,24.8 57.839,24.909 v1(58.052,24.909) ; v1(61.73,25) 61.73,26.37 64.02,28.66 66.31,28.66 66.622,28.972 v1(66.622,29.304)
HDMI_HPD_CON: J1.19 U1.9 | length 11.1
  TOP w0.1: v1(66.11,23.58) 66.11,23.9 67.1,24.89 U1.9@67.61,24.89 ; v1(71.45,19.94) 72.01,20.5 J1.19@73.27,20.5
  INT2 w0.1: v1(66.11,23.58) 66.63,23.58 69.81,20.4 70.99,20.4 v1(71.45,19.94)
HDMI_LS_OE: R13.1 R16.1 R245.2 U25.5 | length 74.5
  TOP w0.1: v1(65.39,22.75) 65.25,22.75 65.15,22.85 65.15,28.32 65.38,28.55 R13.1@66.13,28.55 66.04,28.64 v1(66.04,29.24) ; R245.2@68.33,20.55 68.51,20.55 69.57,19.49 v1(69.57,19.45)
  TOP w0.2: R16.1@67.98,22.04 68.33,21.69 R245.2@68.33,20.55
  INT1 w0.1: v1(62.78,80) 62.78,78.88 60.955,77.055 60.955,76.745 61.175,76.525 61.705,76.525 65.3,72.93 v1(65.3,69.975)
  INT2 w0.1: v1(65.3,69.975) 65.85,69.425 65.85,68.03 67.83,66.05 67.83,61.4 66.04,59.61 v1(66.04,29.24) ; v1(65.39,22.75) 65.42,22.75 65.63,22.96 66.327,22.96 69.57,19.717 v1(69.57,19.45)
  BOTTOM w0.1: v1(62.78,80) 62.78,80.25 63.67,81.14 64.433,81.14 U25.5@64.437,81.144
HDMI_SCL: J2.175 pad.1@68.354,28.812 U1.1 | length 68.9
  TOP w0.1: v1(67.502,28.812) 67.502,28.19 67.602,28.09 U1.1@67.61,28.09
  INT2 w0.1: v1(21.21,11.565) 21.645,12 22.312,12 23.087,12.775 23.868,12.775 24.255,12.388 24.255,11.288 26.52,9.023 46.063,9.023 46.54,9.5 58.864,9.5 63.73,14.366 63.73,22.666 65.309,24.245 65.309,28.179 65.321,28.191 65.321,28.274 65.834,28.787 66.67,28.787 66.845,28.962 67.352,28.962 v1(67.502,28.812)
  BOTTOM w0.1: v1(21.21,11.565) 21.21,11.55 21.41,11.35 J2.175@21.41,8.86 ; v1(67.502,28.812) pad.1@68.354,28.812
HDMI_SCL_CON: J1.15 U1.7 | length 8.7
  TOP w0.1: v1(66.8,25.47) 66.8,25.59 66.9,25.69 U1.7@67.61,25.69 ; v1(71.53,22.5) J1.15@73.27,22.5
  INT2 w0.1: v1(66.8,25.47) 67.177,25.47 69.457,23.19 70.84,23.19 v1(71.53,22.5)
HDMI_SDA: J2.173 pad.1@67.56,29.73 U1.2 | length 68.4
  TOP w0.1: v1(67,28.587) 66.985,28.571 66.985,27.928 67.223,27.69 U1.2@67.61,27.69
  INT2 w0.1: v1(22.125,11.565) 22.16,11.565 23.17,12.575 23.785,12.575 24.055,12.305 24.055,11.205 26.437,8.823 46.146,8.823 46.623,9.3 58.947,9.3 63.93,14.283 63.93,22.583 65.521,24.174 65.521,28.191 65.917,28.587 v1(67,28.587)
  BOTTOM w0.1: J2.173@22.01,8.86 22.01,11.45 v1(22.125,11.565) ; v1(67,28.587) 67,29.17 pad.1@67.56,29.73
HDMI_SDA_CON: J1.16 U1.8 | length 18.8
  TOP w0.1: v1(65.59,23.38) 65.59,23.72 67.16,25.29 U1.8@67.61,25.29 ; J1.16@73.27,22 75.1,22 75.4,21.7 75.4,20.21 74.977,19.787 74.187,19.787 v1(73.91,19.51)
  INT2 w0.1: v1(65.59,23.38) 65.81,23.16 66.41,23.16 70.533,19.037 73.437,19.037 v1(73.91,19.51)